# Altium PCB graviton.PcbDoc (part 2 of 15) (continued)
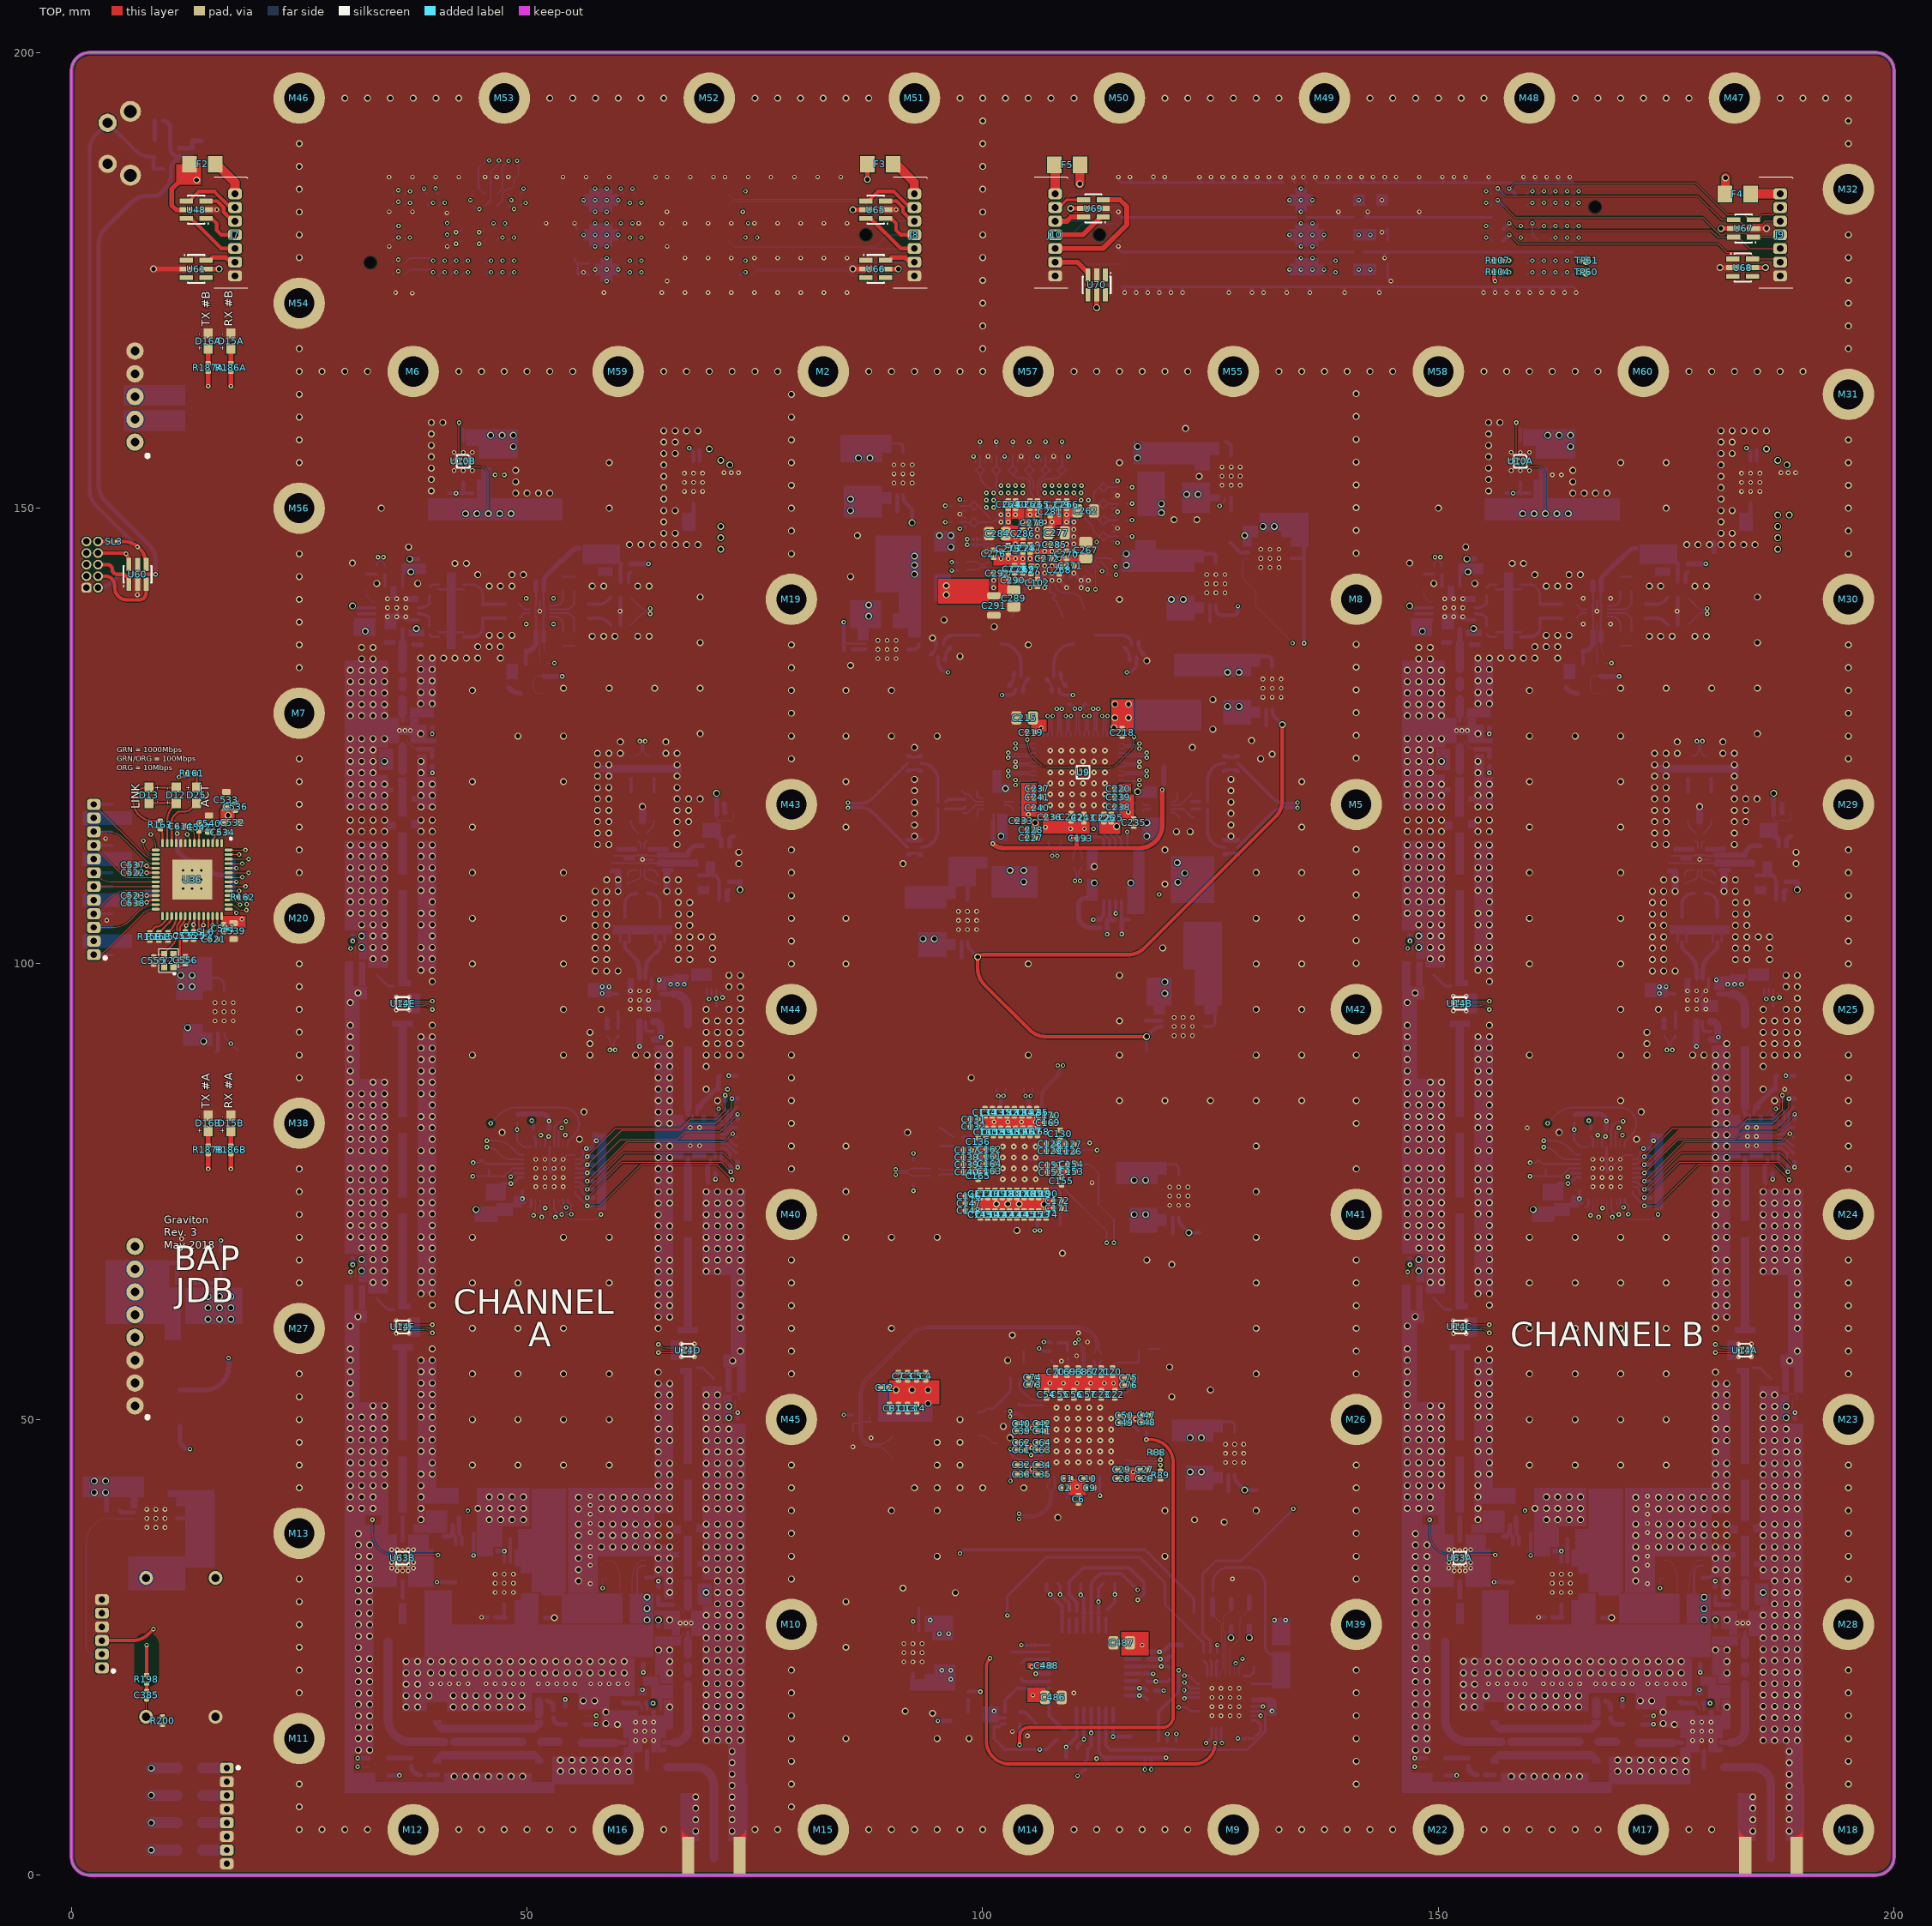
[diagram p0: TOP view]
## Components (designator, comment, footprint, x,y, rotation, side; value= is the part's Value field where it differs from the comment) (continued)
C329A "CGA2B2NP01H102J050BA" CAPC100X50X55L25N#1 168.275,140.95 r180 bottom value=1nF (schematic designator C329)
C329B "CGA2B2NP01H102J050BA" CAPC100X50X55L25N#1 52.275,140.95 r180 bottom value=1nF (schematic designator C329)
C330A "CGA2B2NP01H102J050BA" CAPC100X50X55L25N#1 168.275,136.45 r180 bottom value=1nF (schematic designator C330)
C330B "CGA2B2NP01H102J050BA" CAPC100X50X55L25N#1 52.275,136.45 r180 bottom value=1nF (schematic designator C330)
C331A "GRM155R71H103KA88" CAPC100X50X55L25N#1 168.275,141.95 r180 bottom value=10nF (schematic designator C331)
C331B "GRM155R71H103KA88" CAPC100X50X55L25N#1 52.275,141.95 r180 bottom value=10nF (schematic designator C331)
C332A "GRM155R71H103KA88" CAPC100X50X55L25N#1 168.275,135.45 r180 bottom value=10nF (schematic designator C332)
C332B "GRM155R71H103KA88" CAPC100X50X55L25N#1 52.275,135.45 r180 bottom value=10nF (schematic designator C332)
C333A "ZRB18AR61E106ME01L" CAPC160X80X90L20N#2 170.7,144.2 r180 bottom value=10uF (schematic designator C333)
C333B "ZRB18AR61E106ME01L" CAPC160X80X90L20N#2 54.7,144.2 r180 bottom value=10uF (schematic designator C333)
C334 "GRM155R71C104KA88J" CAPC100X50X55L25N#1 109.9,111 r90 bottom value=100nF
C335 "GRM155R71C104KA88J" CAPC100X50X55L25N#1 110.9,111 r90 bottom value=100nF
C336A "ZRB18AR61E106ME01L" CAPC160X80X90L20N#2 172.65,143.5 r90 bottom value=10uF (schematic designator C336)
C336B "ZRB18AR61E106ME01L" CAPC160X80X90L20N#2 56.65,143.5 r90 bottom value=10uF (schematic designator C336)
C337A "GRM155R61A105KE15" CAPC100X50X55L25N#1 178.75,144.43 r270 bottom value=1uF (schematic designator C337)
C337B "GRM155R61A105KE15" CAPC100X50X55L25N#1 62.75,144.43 r270 bottom value=1uF (schematic designator C337)
C348A "GRM155R71H103KA88" CAPC100X50X55L25N#1 185.675,32.4 r90 bottom value=10nF (schematic designator C348)
C348B "GRM155R71H103KA88" CAPC100X50X55L25N#1 150.325,120.85 r270 bottom value=10nF (schematic designator C348)
C348C "GRM155R71H103KA88" CAPC100X50X55L25N#1 69.675,32.4 r90 bottom value=10nF (schematic designator C348)
C348D "GRM155R71H103KA88" CAPC100X50X55L25N#1 34.325,120.85 r270 bottom value=10nF (schematic designator C348)
C349A "#NAME?" CAPC100X50X55L25N#1 185.45,29.6 r270 bottom value=10pF (schematic designator C349)
C349B "#NAME?" CAPC100X50X55L25N#1 150.55,123.65 r90 bottom value=10pF (schematic designator C349)
C349C "#NAME?" CAPC100X50X55L25N#1 69.45,29.6 r270 bottom value=10pF (schematic designator C349)
C349D "#NAME?" CAPC100X50X55L25N#1 34.55,123.65 r90 bottom value=10pF (schematic designator C349)
C350A "CBR04C200F5GAC" CAPC100X50X55L25N#1 183.66,23.58 r90 bottom value=20pF (schematic designator C350)
C350B "CBR04C200F5GAC" CAPC100X50X55L25N#1 152.34,129.67 r270 bottom value=20pF (schematic designator C350)
C350C "CBR04C200F5GAC" CAPC100X50X55L25N#1 67.66,23.58 r90 bottom value=20pF (schematic designator C350)
C350D "CBR04C200F5GAC" CAPC100X50X55L25N#1 36.34,129.67 r270 bottom value=20pF (schematic designator C350)
C351A "#NAME?" CAPC100X50X55L25N#1 183.65,32.725 r90 bottom value=10pF (schematic designator C351)
C351B "#NAME?" CAPC100X50X55L25N#1 152.35,120.525 r270 bottom value=10pF (schematic designator C351)
C351C "#NAME?" CAPC100X50X55L25N#1 67.65,32.725 r90 bottom value=10pF (schematic designator C351)
C351D "#NAME?" CAPC100X50X55L25N#1 36.35,120.525 r270 bottom value=10pF (schematic designator C351)
C352A "#NAME?" CAPC100X50X55L25N#3 183.11,35.15 r180 bottom value=2.2pF (schematic designator C352)
C352B "#NAME?" CAPC100X50X55L25N#3 152.89,118.1 r0 bottom value=2.2pF (schematic designator C352)
C352C "#NAME?" CAPC100X50X55L25N#1 67.11,35.15 r180 bottom value=2.2pF (schematic designator C352)
C352D "#NAME?" CAPC100X50X55L25N#1 36.89,118.1 r0 bottom value=2.2pF (schematic designator C352)
C353A "CGA2B2X7R1H102K050BA" CAPC100X50X55L25N#1 181.41,26.725 r90 bottom value=1nF (schematic designator C353)
C353B "CGA2B2X7R1H102K050BA" CAPC100X50X55L25N#1 154.59,126.525 r270 bottom value=1nF (schematic designator C353)
C353C "CGA2B2X7R1H102K050BA" CAPC100X50X55L25N#1 65.41,26.725 r90 bottom value=1nF (schematic designator C353)
C353D "CGA2B2X7R1H102K050BA" CAPC100X50X55L25N#1 38.59,126.525 r270 bottom value=1nF (schematic designator C353)
C354A "CGA2B2NP01H102J050BA" CAPC100X50X55L25N#4 181.55,29.265 r270 bottom value=1nF (schematic designator C354)
C354B "CGA2B2NP01H102J050BA" CAPC100X50X55L25N#2 154.45,123.985 r90 bottom value=1nF (schematic designator C354)
C354C "CGA2B2NP01H102J050BA" CAPC100X50X55L25N#1 65.55,29.265 r270 bottom value=1nF (schematic designator C354)
C354D "CGA2B2NP01H102J050BA" CAPC100X50X55L25N#1 38.45,123.985 r90 bottom value=1nF (schematic designator C354)
C355A "ZRB18AR61E106ME01L" CAPC160X80X90L20N#2 173.25,96.25 r90 bottom value=10uF (schematic designator C355)
C355B "ZRB18AR61E106ME01L" CAPC160X80X90L20N#2 57.25,96.25 r90 bottom value=10uF (schematic designator C355)
C358A "GRM155R71H103KA88" CAPC100X50X55L25N#1 177.9,91.65 r0 bottom value=10nF (schematic designator C358)
C358B "GRM155R71H103KA88" CAPC100X50X55L25N#1 61.9,91.65 r0 bottom value=10nF (schematic designator C358)
C359A "VJ0402D820JXXAJ" CAPC100X50X55L25N#1 177.9,92.55 r0 bottom value=82pF (schematic designator C359)
C359B "VJ0402D820JXXAJ" CAPC100X50X55L25N#1 61.9,92.55 r0 bottom value=82pF (schematic designator C359)
C360A "GRM155R71H103KA88" CAPC100X50X55L25N#1 182.3,99.05 r270 bottom value=10nF (schematic designator C360)
C360B "GRM155R71H103KA88" CAPC100X50X55L25N#1 66.3,99.05 r270 bottom value=10nF (schematic designator C360)
C361A "VJ0402D820JXXAJ" CAPC100X50X55L25N#1 181.4,98.75 r270 bottom value=82pF (schematic designator C361)
C361B "VJ0402D820JXXAJ" CAPC100X50X55L25N#1 65.4,98.75 r270 bottom value=82pF (schematic designator C361)
C362A "VJ0402D820JXXAJ" CAPC100X50X55L25N#1 174.94,96.35 r90 bottom value=82pF (schematic designator C362)
C362B "VJ0402D820JXXAJ" CAPC100X50X55L25N#1 58.94,96.35 r90 bottom value=82pF (schematic designator C362)
C363A "GRM155R71H103KA88" CAPC100X50X55L25N#1 181.1,92.95 r180 bottom value=10nF (schematic designator C363)
C363B "GRM155R71H103KA88" CAPC100X50X55L25N#1 65.1,92.95 r180 bottom value=10nF (schematic designator C363)
C364A "CBR04C101F3GAC" CAPC100X50X55L25N#1 176,92.49 r270 bottom value=100pF (schematic designator C364)
C364B "CBR04C101F3GAC" CAPC100X50X55L25N#1 60,92.49 r270 bottom value=100pF (schematic designator C364)
C365A "VJ0402D820JXXAJ" CAPC100X50X55L25N#1 179.1,92.15 r270 bottom value=82pF (schematic designator C365)
C365B "VJ0402D820JXXAJ" CAPC100X50X55L25N#1 63.1,92.15 r270 bottom value=82pF (schematic designator C365)
C366A "C08BL242X-5UN-X0T" CAPC2012X145N 183.65,92 r270 bottom value=2.4nF (schematic designator C366)
C366B "C08BL242X-5UN-X0T" CAPC2012X145N 67.65,92 r270 bottom value=2.4nF (schematic designator C366)
C367A "GJM1555C1H2R0CB01D" CAPC100X50X55L25N#1 178.665,99.5 r0 bottom value=2pF (schematic designator C367)
C367B "GJM1555C1H2R0CB01D" CAPC100X50X55L25N#1 62.665,99.5 r0 bottom value=2pF (schematic designator C367)
C368A "GRM155R71H103KA88" CAPC100X50X55L25N#1 147.025,137.525 r0 bottom value=10nF (schematic designator C368)
C368B "GRM155R71H103KA88" CAPC100X50X55L25N#1 31.025,137.525 r0 bottom value=10nF (schematic designator C368)
C369A "VJ0402D820JXXAJ" CAPC100X50X55L25N#1 147.89,139.592 r270 bottom value=82pF (schematic designator C369)
C369B "VJ0402D820JXXAJ" CAPC100X50X55L25N#1 31.89,139.592 r270 bottom value=82pF (schematic designator C369)
C370A "GRM155R71H103KA88" CAPC100X50X55L25N#1 154.375,135.45 r90 bottom value=10nF (schematic designator C370)
C370B "GRM155R71H103KA88" CAPC100X50X55L25N#1 38.375,135.45 r90 bottom value=10nF (schematic designator C370)
C371A "VJ0402D820JXXAJ" CAPC100X50X55L25N#1 153.575,135.45 r90 bottom value=82pF (schematic designator C371)
C371B "VJ0402D820JXXAJ" CAPC100X50X55L25N#1 37.575,135.45 r90 bottom value=82pF (schematic designator C371)
C372A "VJ0402D820JXXAJ" CAPC100X50X55L25N#1 151.91,142.65 r0 bottom value=82pF (schematic designator C372)
C372B "VJ0402D820JXXAJ" CAPC100X50X55L25N#1 35.91,142.65 r0 bottom value=82pF (schematic designator C372)
C373A "GRM155R71H103KA88" CAPC100X50X55L25N#1 151.91,143.75 r0 bottom value=10nF (schematic designator C373)
C373B "GRM155R71H103KA88" CAPC100X50X55L25N#1 35.91,143.75 r0 bottom value=10nF (schematic designator C373)
C374A "ZRB18AR61E106ME01L" CAPC160X80X90L20N#2 155.75,144.25 r180 bottom value=10uF (schematic designator C374)
C374B "ZRB18AR61E106ME01L" CAPC160X80X90L20N#2 39.75,144.25 r180 bottom value=10uF (schematic designator C374)
C375A "CBR04C101F3GAC" CAPC100X50X55L25N#1 150.39,143.15 r90 bottom value=100pF (schematic designator C375)
C375B "CBR04C101F3GAC" CAPC100X50X55L25N#1 34.39,143.15 r90 bottom value=100pF (schematic designator C375)
C376A "VJ0402D820JXXAJ" CAPC100X50X55L25N#1 147.025,138.4 r180 bottom value=82pF (schematic designator C376)
C376B "VJ0402D820JXXAJ" CAPC100X50X55L25N#1 31.025,138.4 r180 bottom value=82pF (schematic designator C376)
C377A "GJM1555C1H6R0CB01D" CAPC100X50X55L25N#1 151.75,135.25 r0 bottom value=6pF (schematic designator C377)
C377B "GJM1555C1H6R0CB01D" CAPC100X50X55L25N#1 35.75,135.25 r0 bottom value=6pF (schematic designator C377)
C380 "VJ0402A101KXA" CAPC100X50X55L25N#1 114.45,104.4 r270 bottom value=100pF
C381 "VJ0402A101KXA" CAPC100X50X55L25N#1 116.05,104.4 r270 bottom value=100pF
C382 "CL21A226KOQNNNE" CAPC200X125X145L45N 6.6,43.75 r270 bottom value=22uF
C383 "#NAME?" CAPC200X125X145L45N 5.275,39.15 r270 bottom value=1uF
C384 "CL21A226KOQNNNE" CAPC200X125X145L45N 13.25,43 r270 bottom value=22uF
C385 "CGA2B2NP01H102J050BA" CAPC100X50X55L25N#1 8.25,19.75 r270 top value=1nF
C386 "CGA2B2NP01H102J050BA" CAPC100X50X55L25N#1 107.9,58.4 r180 bottom value=1nF
C387 "CGA2B2NP01H102J050BA" CAPC100X50X55L25N#1 109.3,57.1 r90 bottom value=1nF
C388 "CL21A226KOQNNNE" CAPC200X125X145L45N 117.25,97.375 r0 bottom value=22uF
C389 "#NAME?" CAPC200X125X145L45N 117,93.875 r180 bottom value=1uF
C390 "CL21A226KOQNNNE" CAPC200X125X145L45N 126.375,98.5 r180 bottom value=22uF
C391 "CL21A226KOQNNNE" CAPC200X125X145L45N 126.4,96.825 r180 bottom value=22uF
C392 "CL21A226KOQNNNE" CAPC200X125X145L45N 127.75,125.5 r90 bottom value=22uF
C393 "#NAME?" CAPC200X125X145L45N 131,125.25 r270 bottom value=1uF
C394 "CL21A226KOQNNNE" CAPC200X125X145L45N 127,134.75 r270 bottom value=22uF
C395 "CL21A226KOQNNNE" CAPC200X125X145L45N 128.975,135 r270 bottom value=22uF
C396 "CL21A226KOQNNNE" CAPC200X125X145L45N 94.5,100.25 r90 bottom value=22uF
C397 "#NAME?" CAPC200X125X145L45N 97.697,99.751 r270 bottom value=1uF
C398 "CL21A226KOQNNNE" CAPC200X125X145L45N 95.25,109.3 r270 bottom value=22uF
C399 "CL21A226KOQNNNE" CAPC200X125X145L45N 93.25,109.3 r270 bottom value=22uF
C404 "CL21A226KOQNNNE" CAPC200X125X145L45N 124,41.9 r90 bottom value=22uF
C405 "#NAME?" CAPC200X125X145L45N 127,41.25 r270 bottom value=1uF
C406 "CL21A226KOQNNNE" CAPC200X125X145L45N 123,50.75 r270 bottom value=22uF
C407 "CL21A226KOQNNNE" CAPC200X125X145L45N 124.95,51.025 r270 bottom value=22uF
C408 "CL21A226KOQNNNE" CAPC200X125X145L45N 119.5,137.7 r0 bottom value=22uF
C409 "#NAME?" CAPC200X125X145L45N 124.75,136.5 r270 bottom value=1uF
C410 "CL21A226KOQNNNE" CAPC200X125X145L45N 122.575,146.45 r270 bottom value=22uF
C411 "CL21A226KOQNNNE" CAPC200X125X145L45N 120.5,146.2 r270 bottom value=22uF
C412 "GRM155R71H103KA88" CAPC100X50X55L25N#1 126.25,157.25 r0 bottom value=10nF
C413 "CL21A226KOQNNNE" CAPC200X125X145L45N 124.75,149 r90 bottom value=22uF
C414 "GRM155R71H103KA88" CAPC100X50X55L25N#1 127.25,149.32 r270 bottom value=10nF
C415 "CL21A226KOQNNNE" CAPC200X125X145L45N 124.025,158.075 r270 bottom value=22uF
C416 "GRM155R71H103KA88" CAPC100X50X55L25N#1 93,135.5 r270 bottom value=10nF
C417 "CL21A226KOQNNNE" CAPC200X125X145L45N 85.75,140.25 r270 bottom value=22uF
C418 "GRM155R71H103KA88" CAPC100X50X55L25N#1 85.7,134.1 r270 bottom value=10nF
C419 "CL21A226KOQNNNE" CAPC200X125X145L45N 87.5,144.75 r0 bottom value=22uF
C420 "CL21A226KOQNNNE" CAPC200X125X145L45N 13.175,90.225 r90 bottom value=22uF
C421 "#NAME?" CAPC200X125X145L45N 16.25,89.5 r270 bottom value=1uF
C422 "CL21A226KOQNNNE" CAPC200X125X145L45N 12,95.25 r90 bottom value=22uF
C423 "CL21A226KOQNNNE" CAPC200X125X145L45N 16.125,100.25 r180 bottom value=22uF
C424 "CL21A226KOQNNNE" CAPC200X125X145L45N 95.8,29.025 r270 bottom value=22uF
C425 "#NAME?" CAPC200X125X145L45N 93,30.25 r90 bottom value=1uF
C426 "CL21A226KOQNNNE" CAPC200X125X145L45N 95.5,19.75 r90 bottom value=22uF
C427 "CL21A226KOQNNNE" CAPC200X125X145L45N 93.5,19.75 r90 bottom value=22uF
C428 "CL21A226KOQNNNE" CAPC200X125X145L45N 118,70.05 r90 bottom value=22uF
C429 "#NAME?" CAPC200X125X145L45N 120.75,69.25 r270 bottom value=1uF
C430 "CL21A226KOQNNNE" CAPC200X125X145L45N 117.25,79.25 r270 bottom value=22uF
C431 "CL21A226KOQNNNE" CAPC200X125X145L45N 119.25,79.25 r270 bottom value=22uF
C432 "CL21A226KOQNNNE" CAPC200X125X145L45N 129,149 r270 bottom value=22uF
C433 "#NAME?" CAPC200X125X145L45N 126.5,146.25 r180 bottom value=1uF
C434 "CL21A226KOQNNNE" CAPC200X125X145L45N 134.75,149.5 r270 bottom value=22uF
C435 "CL21A226KOQNNNE" CAPC200X125X145L45N 133,149.5 r270 bottom value=22uF
C436 "CL21A226KOQNNNE" CAPC200X125X145L45N 87.5,149 r90 bottom value=22uF
C437 "#NAME?" CAPC200X125X145L45N 90.75,148.75 r270 bottom value=1uF
C438 "CL21A226KOQNNNE" CAPC200X125X145L45N 90.125,158.35 r180 bottom value=22uF
C439 "CL21A226KOQNNNE" CAPC200X125X145L45N 87.05,157.95 r270 bottom value=22uF
C454A "GRM155R71H103KA88" CAPC100X50X55L25N#1 159,151.15 r90 bottom value=10nF (schematic designator C454)
C454B "GRM155R71H103KA88" CAPC100X50X55L25N#1 43,151.15 r90 bottom value=10nF (schematic designator C454)
C455A "CL21A226KOQNNNE" CAPC200X125X145L45N 163,155.65 r90 bottom value=22uF (schematic designator C455)
C455B "CL21A226KOQNNNE" CAPC200X125X145L45N 47,155.65 r90 bottom value=22uF (schematic designator C455)
C456A "GRM155R71H103KA88" CAPC100X50X55L25N#1 158.5,158.65 r180 bottom value=10nF (schematic designator C456)
C456B "GRM155R71H103KA88" CAPC100X50X55L25N#1 42.5,158.65 r180 bottom value=10nF (schematic designator C456)
C457A "CL21A226KOQNNNE" CAPC200X125X145L45N 163,151.65 r270 bottom value=22uF (schematic designator C457)
C457B "CL21A226KOQNNNE" CAPC200X125X145L45N 47,151.65 r270 bottom value=22uF (schematic designator C457)
C458A "C4532X5R1A107M280KC" CAPC450X320X360L20N 167,152.65 r270 bottom value=100uF (schematic designator C458)
C458B "C4532X5R1A107M280KC" CAPC450X320X360L20N 51,152.65 r270 bottom value=100uF (schematic designator C458)
C463A "GRM155R71H103KA88" CAPC100X50X55L25N#1 184.925,156.8 r90 bottom value=10nF (schematic designator C463)
C463B "GRM155R71H103KA88" CAPC100X50X55L25N#1 68.925,156.8 r90 bottom value=10nF (schematic designator C463)
C464A "GRM155R71H103KA88" CAPC100X50X55L25N#1 184.9,148 r180 bottom value=10nF (schematic designator C464)
C464B "GRM155R71H103KA88" CAPC100X50X55L25N#1 68.9,148 r180 bottom value=10nF (schematic designator C464)
C465A "CL21A226KOQNNNE" CAPC200X125X145L45N 187.625,157.375 r270 bottom value=22uF (schematic designator C465)
C465B "CL21A226KOQNNNE" CAPC200X125X145L45N 71.675,157.475 r270 bottom value=22uF (schematic designator C465)
C466A "CL21A226KOQNNNE" CAPC200X125X145L45N 188.3,151.8 r270 bottom value=22uF (schematic designator C466)
C466B "CL21A226KOQNNNE" CAPC200X125X145L45N 72.3,151.8 r270 bottom value=22uF (schematic designator C466)
C467 "GCM155R71H104KE02" CAPC100X50X55L25N#1 11.25,191.75 r0 bottom value=100nF
C468 "GCM155R71H104KE02" CAPC100X50X55L25N#1 9,186.75 r90 bottom value=100nF
C469 "GRM155R71H103KA88" CAPC100X50X55L25N#1 13.25,190.75 r90 bottom value=10nF
C471A "VJ0402A101KXA" CAPC100X50X55L25N#1 161,78.93 r90 bottom value=100pF (schematic designator C471)
C471B "VJ0402A101KXA" CAPC100X50X55L25N#1 45,78.93 r90 bottom value=100pF (schematic designator C471)
C472A "VJ0402A101KXA" CAPC100X50X55L25N#1 161.375,77.475 r180 bottom value=100pF (schematic designator C472)
C472B "VJ0402A101KXA" CAPC100X50X55L25N#1 45.375,77.475 r180 bottom value=100pF (schematic designator C472)
C473A "ZRB18AR61E106ME01L" CAPC160X80X90L20N#2 166,72.25 r90 bottom value=10uF (schematic designator C473)
C473B "ZRB18AR61E106ME01L" CAPC160X80X90L20N#2 50,72.25 r90 bottom value=10uF (schematic designator C473)
C474A "CL21B106KOQNNNE" CAPC200X125X145L45N 160.525,75.35 r180 bottom value=10uF (schematic designator C474)
C474B "CL21B106KOQNNNE" CAPC200X125X145L45N 44.525,75.35 r180 bottom value=10uF (schematic designator C474)
C475A "#NAME?" CAPC200X125X145L45N 173.925,82.425 r90 bottom value=1uF (schematic designator C475)
C475B "#NAME?" CAPC200X125X145L45N 57.925,82.425 r90 bottom value=1uF (schematic designator C475)
C476A "GRM155R71H103KA88" CAPC100X50X55L25N#1 163.75,74.975 r0 bottom value=10nF (schematic designator C476)
C476B "GRM155R71H103KA88" CAPC100X50X55L25N#1 47.75,74.975 r0 bottom value=10nF (schematic designator C476)
C477A "#NAME?" CAPC200X125X145L45N 163.625,72.15 r270 bottom value=1uF (schematic designator C477)
C477B "#NAME?" CAPC200X125X145L45N 47.625,72.15 r270 bottom value=1uF (schematic designator C477)
C478A "GRM155R71H103KA88" CAPC100X50X55L25N#1 164.925,73.25 r270 bottom value=10nF (schematic designator C478)
C478B "GRM155R71H103KA88" CAPC100X50X55L25N#1 48.925,73.25 r270 bottom value=10nF (schematic designator C478)
C480A "#NAME?" CAPC100X50X55L25N#1 167.8,19.1 r180 bottom value=0.5pF (schematic designator C480)
C480B "#NAME?" CAPC100X50X55L25N#1 51.8,19.1 r180 bottom value=0.5pF (schematic designator C480)
C481A "#NAME?" CAPC100X50X55L25N#1 154.7,11 r180 bottom value=0.5pF (schematic designator C481)
C481B "#NAME?" CAPC100X50X55L25N#1 38.7,11 r180 bottom value=0.5pF (schematic designator C481)
C482 "VJ0402A101KXA" CAPC100X50X55L25N#1 104.25,44.18 r270 bottom value=100pF
C483 "VJ0402A101KXA" CAPC100X50X55L25N#1 113.9,145 r90 bottom value=100pF
C484 "VJ0402A101KXA" CAPC100X50X55L25N#1 113.675,142.25 r270 bottom value=100pF
C486 "CL21B106KOQNNNE" CAPC200X125X145L45N 107.75,19.5 r0 top value=10uF
C487 "#NAME?" CAPC200X125X145L45N 115.25,25.5 r180 top value=1uF
C488 "GRM155R71H103KA88" CAPC100X50X55L25N#1 107,23 r0 top value=10nF
C490 "CL21A226KOQNNNE" CAPC200X125X145L45N 15.7,41.225 r180 bottom value=22uF
C494A "C5750X7R2A475K230KA" CAPC570X500X230L57N 170.2,34 r180 bottom value=4.7uF (schematic designator C494)
C494B "C5750X7R2A475K230KA" CAPC570X500X230L57N 54.2,34 r180 bottom value=4.7uF (schematic designator C494)
C496A "C5750X7R2A475K230KA" CAPC570X500X230L57N 170.2,39.65 r180 bottom value=4.7uF (schematic designator C496)
C496B "C5750X7R2A475K230KA" CAPC570X500X230L57N 54.2,39.65 r180 bottom value=4.7uF (schematic designator C496)
C497A "C3216X7R2A105K160AA" CAPC3216X130L55N 162.7,37 r0 bottom value=1uF (schematic designator C497)
C497B "C3216X7R2A105K160AA" CAPC3216X130L55N 46.7,37 r0 bottom value=1uF (schematic designator C497)
C498A "C5750X7R2A475K230KA" CAPC570X500X230L57N 175,23.75 r90 bottom value=4.7uF (schematic designator C498)
C498B "C5750X7R2A475K230KA" CAPC570X500X230L57N 59,23.75 r90 bottom value=4.7uF (schematic designator C498)
C499A "C5750X7R2A475K230KA" CAPC570X500X230L57N 163.5,23.75 r90 bottom value=4.7uF (schematic designator C499)
C499B "C5750X7R2A475K230KA" CAPC570X500X230L57N 47.5,23.75 r90 bottom value=4.7uF (schematic designator C499)
C500A "06031C103JAT2A" CAPC1608X90N 167.25,28.25 r180 bottom value=10nF (schematic designator C500)
C500B "06031C103JAT2A" CAPC1608X90N 51.25,28.25 r180 bottom value=10nF (schematic designator C500)
C502A "GRM155R71H103KA88" CAPC100X50X55L25N#1 177.4,19.3 r270 bottom value=10nF (schematic designator C502)
C502B "GRM155R71H103KA88" CAPC100X50X55L25N#1 61.4,19.3 r270 bottom value=10nF (schematic designator C502)
C503A "ZRB18AR61E106ME01L" CAPC160X80X90L20N#2 175.675,19 r0 bottom value=10uF (schematic designator C503)
C503B "ZRB18AR61E106ME01L" CAPC160X80X90L20N#2 59.675,19 r0 bottom value=10uF (schematic designator C503)
C504A "C08BL242X-5UN-X0T" CAPC2012X145N 170.75,14.638 r180 bottom value=2.4nF (schematic designator C504)
C504B "C08BL242X-5UN-X0T" CAPC2012X145N 54.75,14.638 r180 bottom value=2.4nF (schematic designator C504)
C505A "GRM155R71H103KA88" CAPC100X50X55L25N#1 181.05,18.9 r180 bottom value=10nF (schematic designator C505)
C505B "GRM155R71H103KA88" CAPC100X50X55L25N#1 65.05,18.9 r180 bottom value=10nF (schematic designator C505)
C506A "ZRB18AR61E106ME01L" CAPC160X80X90L20N#2 181.35,20.625 r270 bottom value=10uF (schematic designator C506)
C506B "ZRB18AR61E106ME01L" CAPC160X80X90L20N#2 65.35,20.625 r270 bottom value=10uF (schematic designator C506)
C507A "C08BL242X-5UN-X0T" CAPC2012X145N 180.225,11.857 r0 bottom value=2.4nF (schematic designator C507)
C507B "C08BL242X-5UN-X0T" CAPC2012X145N 64.225,11.857 r0 bottom value=2.4nF (schematic designator C507)
C521 "C1005X7R1E224K050BE" CAPC100X50X55L25N#1 15.6,102.7 r0 top value=220nF
C522 "GRM155R71H103KA88" CAPC100X50X55L25N#1 6.75,110 r0 top value=10nF
C523 "GRM155R71H103KA88" CAPC100X50X55L25N#1 6.75,107.5 r0 top value=10nF
C525 "GRM155R71H103KA88" CAPC100X50X55L25N#1 13.4,103.1 r90 top value=10nF
C529 "GRM155R71C104KA88J" CAPC100X50X55L25N#1 9.8,107.5 r180 bottom value=100nF
C530 "GRM155R61A105KE15" CAPC100X50X55L25N#1 13.4,103.1 r90 bottom value=1uF
C532 "GRM188R71A225KE15D" CAPC160X80X90L20N#2 17.675,115.5 r180 top value=2.2uF
C533 "GRM188R71A225KE15D" CAPC160X80X90L20N#2 17,118 r270 top value=2.2uF
C534 "GRM155R71H103KA88" CAPC100X50X55L25N#1 16.6,114.4 r180 top value=10nF
C535 "GRM155R71H103KA88" CAPC100X50X55L25N#1 12.5,103.1 r90 top value=10nF
C536 "GRM155R71H103KA88" CAPC100X50X55L25N#1 18,117.25 r270 top value=10nF
C537 "GRM155R71H103KA88" CAPC100X50X55L25N#1 6.75,110.85 r0 top value=10nF
C538 "GRM155R71H103KA88" CAPC100X50X55L25N#1 6.75,106.65 r0 top value=10nF
C539 "GRM188R71A225KE15D" CAPC160X80X90L20N#2 17.8,103.6 r90 top value=2.2uF
C540 "GRM188R71A225KE15D" CAPC160X80X90L20N#2 15.1,115.4 r270 top value=2.2uF
C541 "GRM155R71H103KA88" CAPC100X50X55L25N#1 16.7,103.9 r90 top value=10nF
C542 "GRM155R71H103KA88" CAPC100X50X55L25N#1 14,115 r270 top value=10nF
C543 "GRM155R71C104KA88J" CAPC100X50X55L25N#1 7.057,101.688 r180 bottom value=100nF
C544 "GRM155R71H103KA88" CAPC100X50X55L25N#1 7.057,102.5 r180 bottom value=10nF
C545 "CGA2B2NP01H102J050BA" CAPC100X50X55L25N#1 7.057,103.312 r180 bottom value=1nF
C546 "GRM155R71C104KA88J" CAPC100X50X55L25N#1 7.074,106.188 r180 bottom value=100nF
C547 "GRM155R71H103KA88" CAPC100X50X55L25N#1 7.074,107 r180 bottom value=10nF
C548 "CGA2B2NP01H102J050BA" CAPC100X50X55L25N#1 7.074,107.812 r180 bottom value=1nF
C549 "GRM155R71C104KA88J" CAPC100X50X55L25N#1 7.074,110.688 r180 bottom value=100nF
C550 "GRM155R71H103KA88" CAPC100X50X55L25N#1 7.074,111.5 r180 bottom value=10nF
C551 "CGA2B2NP01H102J050BA" CAPC100X50X55L25N#1 7.074,112.312 r180 bottom value=1nF
C552 "GRM155R71C104KA88J" CAPC100X50X55L25N#1 7.074,115.188 r180 bottom value=100nF
C553 "GRM155R71H103KA88" CAPC100X50X55L25N#1 7.074,116 r180 bottom value=10nF
C554 "CGA2B2NP01H102J050BA" CAPC100X50X55L25N#1 7.074,116.812 r180 bottom value=1nF
C555 "GJM1555C1H6R0CB01D" CAPC100X50X55L25N#1 9.03,100.363 r90 top value=6pF
C556 "GJM1555C1H6R0CB01D" CAPC100X50X55L25N#1 12.5,100.4 r270 top value=6pF
C612 "GRM155R71H103KA88" CAPC100X50X55L25N#1 16.9,109 r0 bottom value=10nF
C613 "GRM155R71H103KA88" CAPC100X50X55L25N#1 16.8,110.5 r0 bottom value=10nF
C614 "GRM155R71H103KA88" CAPC100X50X55L25N#1 12,115.1 r180 top value=10nF
C618 "GRM155R71C104KA88J" CAPC100X50X55L25N#1 16.9,108 r0 bottom value=100nF
C619 "GRM155R71C104KA88J" CAPC100X50X55L25N#1 12.03,115.1 r180 bottom value=100nF
C620 "GRM155R61A105KE15" CAPC100X50X55L25N#1 16.8,111.5 r0 bottom value=1uF
D1 "LNJ237W82RA" 0603_LED 108.5,70.5 r270 bottom
D2 "LNJ237W82RA" 0603_LED 94.5,80 r180 bottom
D3 "LNJ237W82RA" 0603_LED 94.5,82 r180 bottom
D7A "BZT585B3V3T-7" SOD523 188,86.25 r180 bottom (schematic designator D7)
D7B "BZT585B3V3T-7" SOD523 72,86.25 r180 bottom (schematic designator D7)
D12 "LNJ412K84RA" 0603_LED 11.5,118.5 r90 top
D13 "LNJ326W83RA" 0603_LED 8.525,118.5 r270 top
D15A "LNJ326W83RA" 0603_LED 17.5,168.35 r90 top (schematic designator D15)
D15B "LNJ326W83RA" 0603_LED 17.5,82.5 r90 top (schematic designator D15)
D16A "LNJ237W82RA" 0603_LED 15,168.35 r90 top (schematic designator D16)
D16B "LNJ237W82RA" 0603_LED 15,82.5 r90 top (schematic designator D16)
D17 "ESD8472" XFDFN-2 4.7,101 r0 bottom
D18 "ESD8472" XFDFN-2 4.7,104 r0 bottom
D19 "ESD8472" XFDFN-2 4.7,105.5 r0 bottom
D20 "ESD8472" XFDFN-2 4.7,108.5 r0 bottom
D21 "ESD8472" XFDFN-2 4.7,110 r0 bottom
D22 "ESD8472" XFDFN-2 4.7,113 r0 bottom
D23 "ESD8472" XFDFN-2 4.7,114.5 r0 bottom
D24 "ESD8472" XFDFN-2 4.7,117.5 r0 bottom
D25 "LNJ037X8ARA" 0603_LED 13.75,118.5 r270 top
D26A "BZT585B3V3T-7" SOD523 180.125,21.475 r270 bottom (schematic designator D26)
D26B "BZT585B3V3T-7" SOD523 64.125,21.475 r270 bottom (schematic designator D26)
F1 "0ZCJ0020FF2E" 1206 6.45,142.35 r0 bottom
F2 "0ZCJ0020FF2E" 1206 14.375,187.75 r180 top
F3 "0ZCJ0020FF2E" 1206 88.75,187.75 r180 top
F4 "0ZCJ0020FF2E" 1206 182.85,184.475 r180 top
F5 "0ZCJ0020FF2E" 1206 109.275,187.675 r0 top
F6 "0ZCJ0020FF2E" 1206 13,2.75 r0 bottom
F7 "0ZCJ0020FF2E" 1206 13,5.75 r0 bottom
F8 "0ZCJ0020FF2E" 1206 13,8.75 r0 bottom
F9 "0ZCJ0020FF2E" 1206 13,11.75 r0 bottom
FL1A "MEM2012V121RT001" MEM2012V 179.935,121.397 r90 bottom (schematic designator FL1)
FL1B "MEM2012V121RT001" MEM2012V 63.935,121.397 r90 bottom (schematic designator FL1)
FL2A "MEM2012V121RT001" MEM2012V 177.395,121.397 r90 bottom (schematic designator FL2)
FL2B "MEM2012V121RT001" MEM2012V 61.395,121.397 r90 bottom (schematic designator FL2)
FL3A "MEM2012V121RT001" MEM2012V 176.275,140.2 r180 bottom (schematic designator FL3)
FL3B "MEM2012V121RT001" MEM2012V 60.275,140.2 r180 bottom (schematic designator FL3)
FL4A "MEM2012V121RT001" MEM2012V 176.275,137.2 r180 bottom (schematic designator FL4)
FL4B "MEM2012V121RT001" MEM2012V 60.275,137.2 r180 bottom (schematic designator FL4)
J1 "S6B-ZR" S6B-ZR 2.9,26.5 r270 bottom locked
J2 "SMA-J-P-H-ST-EM1" SMA-J-P-H-ST-EM1 186.5,2.1 r180 bottom locked
J3 "SMA-J-P-H-ST-EM1" SMA-J-P-H-ST-EM1 70.5,2.1 r180 bottom locked
J4 "SEAF-40-06.5-S-10-2-A-K-TR" SEAF-40-06.5-S-10-2-A-K-TR 60,180 r180 bottom locked
J5 "GRPB052MWCN" GRPB052MWCN 2.285,143.81 r0 bottom locked
J6 "SEAF-40-06.5-S-10-2-A-K-TR" SEAF-40-06.5-S-10-2-A-K-TR 140,180 r0 bottom locked
J7 "B7B-ZR(LF)(SN)" B7B-ZR 17.5,180 r90 top locked
J8 "B7B-ZR(LF)(SN)" B7B-ZR 92.05,180 r90 top locked
J9 "B7B-ZR(LF)(SN)" B7B-ZR 187.05,180 r90 top locked
J10 "B7B-ZR(LF)(SN)" B7B-ZR 107.5,180 r90 top locked
J11 "B8B-ZR(LF)(SN)" B8B-ZR 17.5,6.5 r90 bottom
L1A "MMZ1005A222ET000" INDC1005X55N 185.275,113.4 r90 bottom value=2.2k@100MHz (schematic designator L1)
L1B "MMZ1005A222ET000" INDC1005X55N 69.275,113.4 r90 bottom value=2.2k@100MHz (schematic designator L1)
L2A "MMZ1005A222ET000" INDC1005X55N 185.175,111.1 r0 bottom value=2.2k@100MHz (schematic designator L2)
L2B "MMZ1005A222ET000" INDC1005X55N 69.175,111.1 r0 bottom value=2.2k@100MHz (schematic designator L2)
L3A "LQG15HS5N6C02D" INDC1005X55N 152.35,39.6 r270 bottom value=5.6nH (schematic designator L3)
L3B "LQG15HS5N6C02D" INDC1005X55N 36.35,39.6 r270 bottom value=5.6nH (schematic designator L3)
L7 "BLM41PG102SN1L" 1806 122.25,130.825 r270 bottom value=1k@100MHz
L8 "BLM41PG102SN1L" 1806 124.25,105.125 r90 bottom value=1k@100MHz
L9 "BLM41PG102SN1L" 1806 99.25,109 r0 bottom value=1k@100MHz
L13A "1008CS-150XJB" 1008CS#1 184.845,64.405 r270 bottom value=15nH (schematic designator L13)
L13B "1008CS-150XJB" 1008CS#1 151.155,88.845 r90 bottom value=15nH (schematic designator L13)
L13C "1008CS-150XJB" 1008CS#2 151.205,53.345 r90 bottom value=15nH (schematic designator L13)
L13D "1008CS-150XJB" 1008CS#1 68.845,64.405 r270 bottom value=15nH (schematic designator L13)
L13E "1008CS-150XJB" 1008CS#1 35.155,88.845 r90 bottom value=15nH (schematic designator L13)
L13F "1008CS-150XJB" 1008CS#1 35.155,53.345 r90 bottom value=15nH (schematic designator L13)
L14 "BLM41PG102SN1L" 1806 118,149.25 r90 bottom value=1k@100MHz
L16 "BLM41PG102SN1L" 1806 92.75,145.25 r0 bottom value=1k@100MHz
L17A "1008AF-901XJLC" COILCRAFT_1008AF 153.53,30 r180 bottom value=900nH (schematic designator L17)
L17B "1008AF-901XJLC" COILCRAFT_1008AF 37.53,30 r180 bottom value=900nH (schematic designator L17)
L18A "0906-5GL" 0906-5L 151.5,26.75 r90 bottom value=5.4nH (schematic designator L18)
L18B "0906-5GL" 0906-5L 35.5,26.75 r90 bottom value=5.4nH (schematic designator L18)
L19 "BLM41PG102SN1L" 1806 92.75,142.75 r0 bottom value=1k@100MHz